# Altium PCB Power Distribution Board.PcbDoc (part 1 of 2)
Units mm, origin at the board's own origin, x right, y up, seen from the top; angles counter-clockwise.
Board outline 180 x 110 mm, 4 copper layers (Top Layer, L2-Ground, L3-Ground, Bottom Layer), stack 1.57 mm thick; 192 components, 105 nets, 601 pads, 369 vias.
Unrouted connection lines stored in the file: 64.
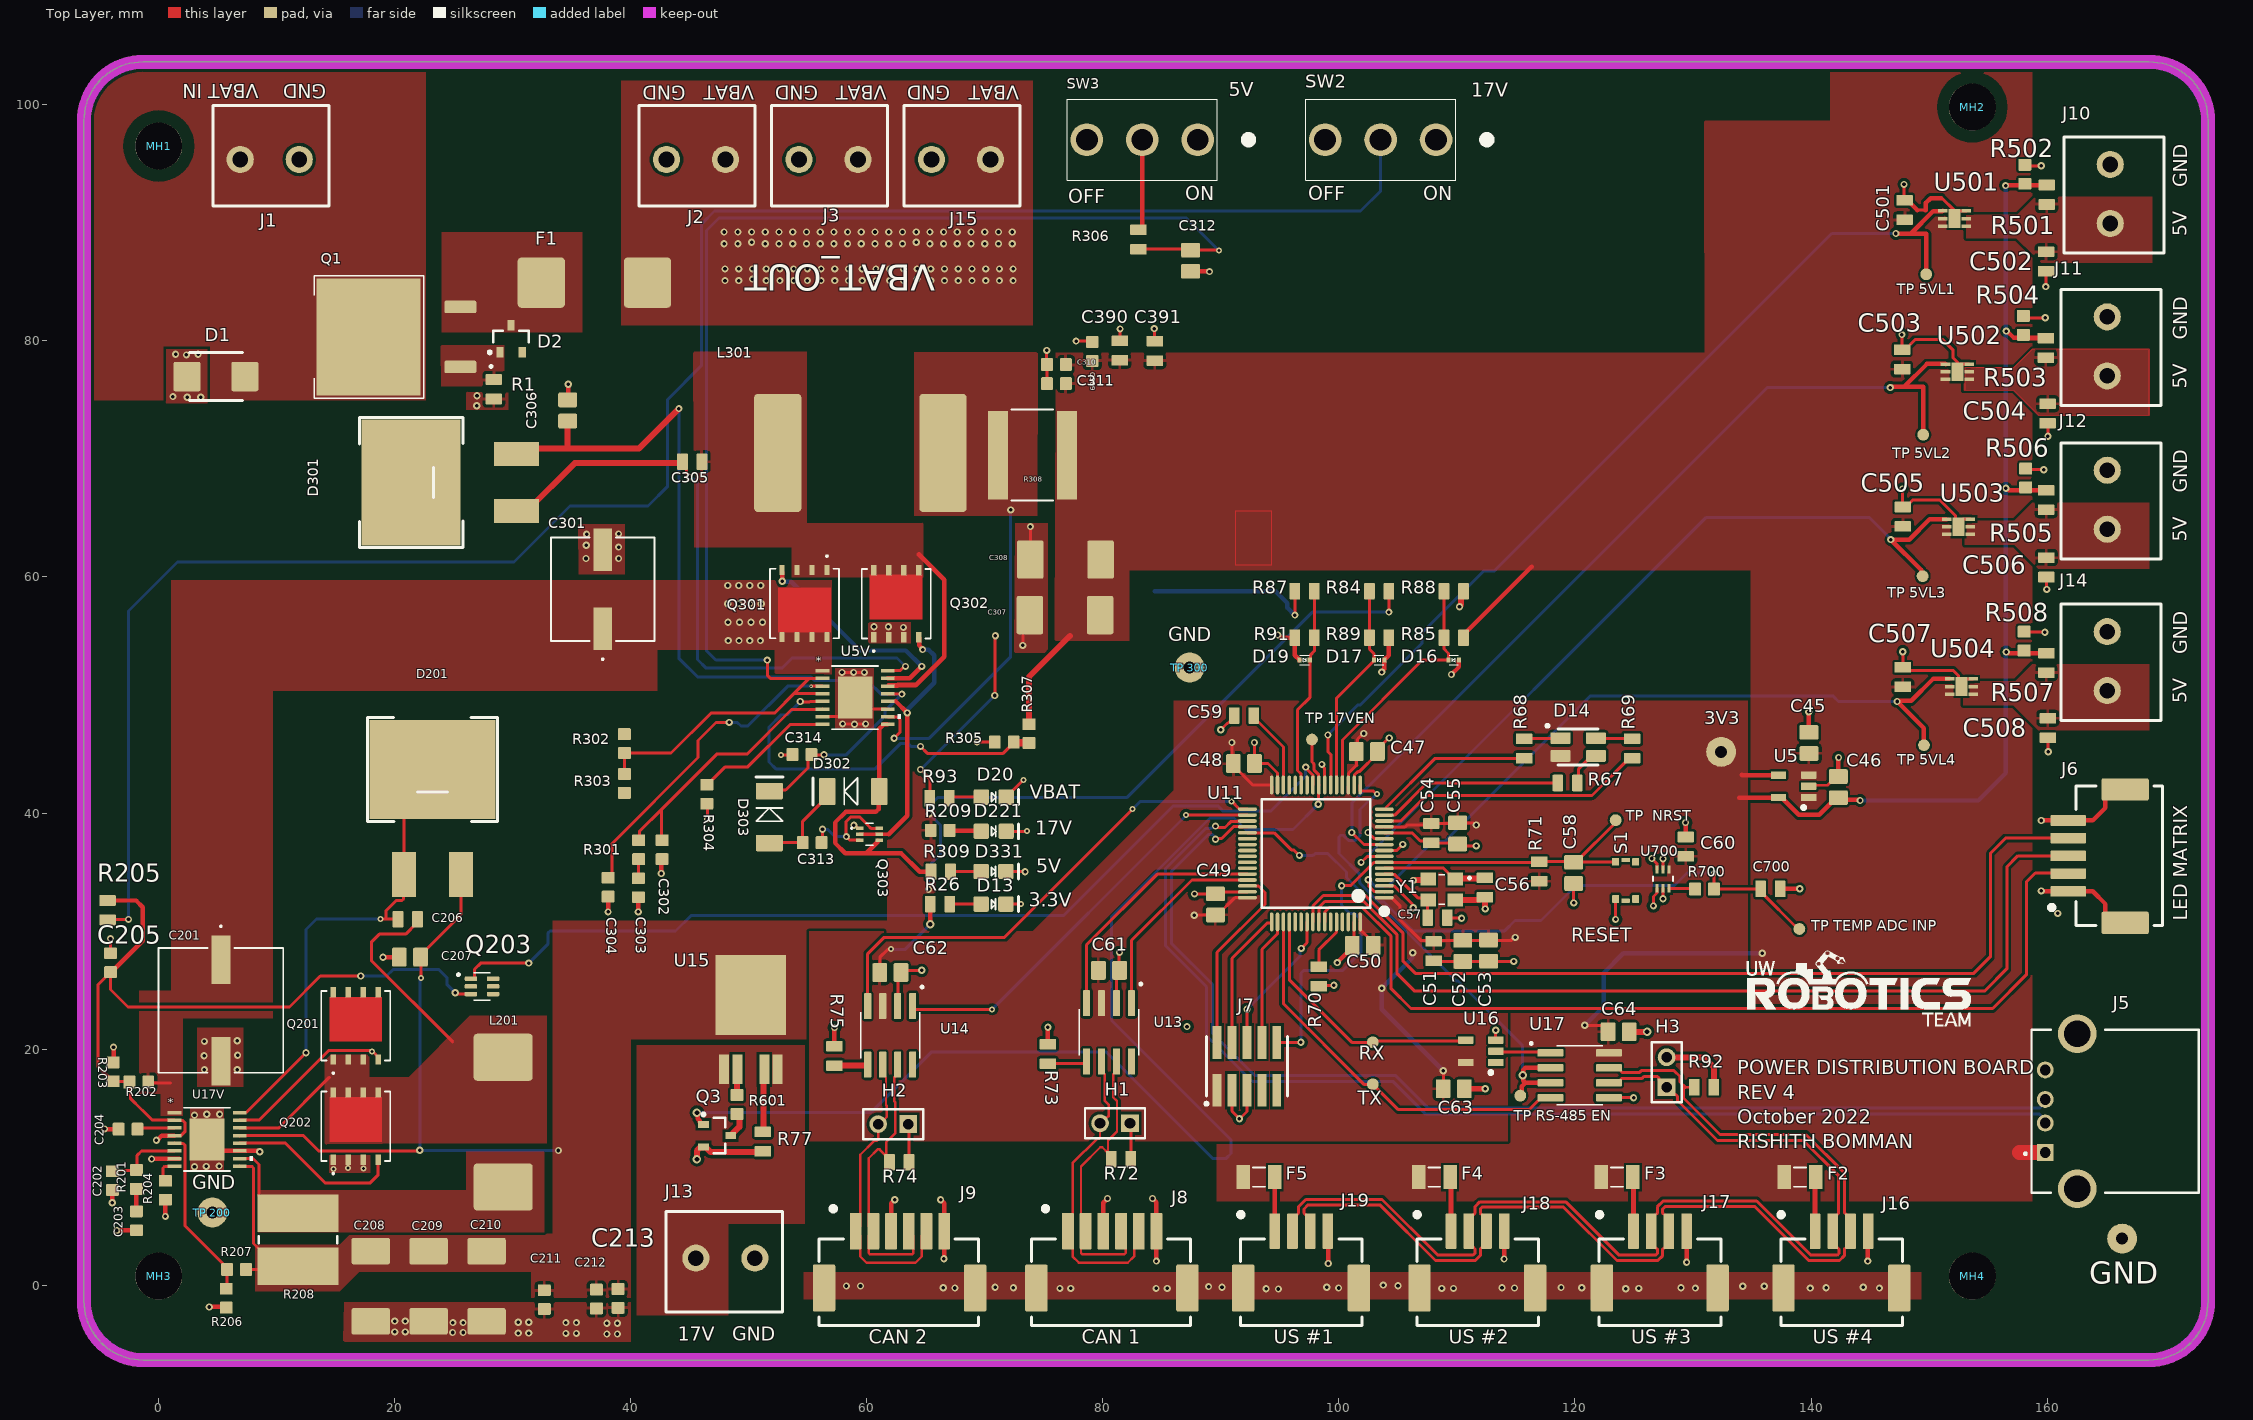
[diagram p0: Top Layer view]
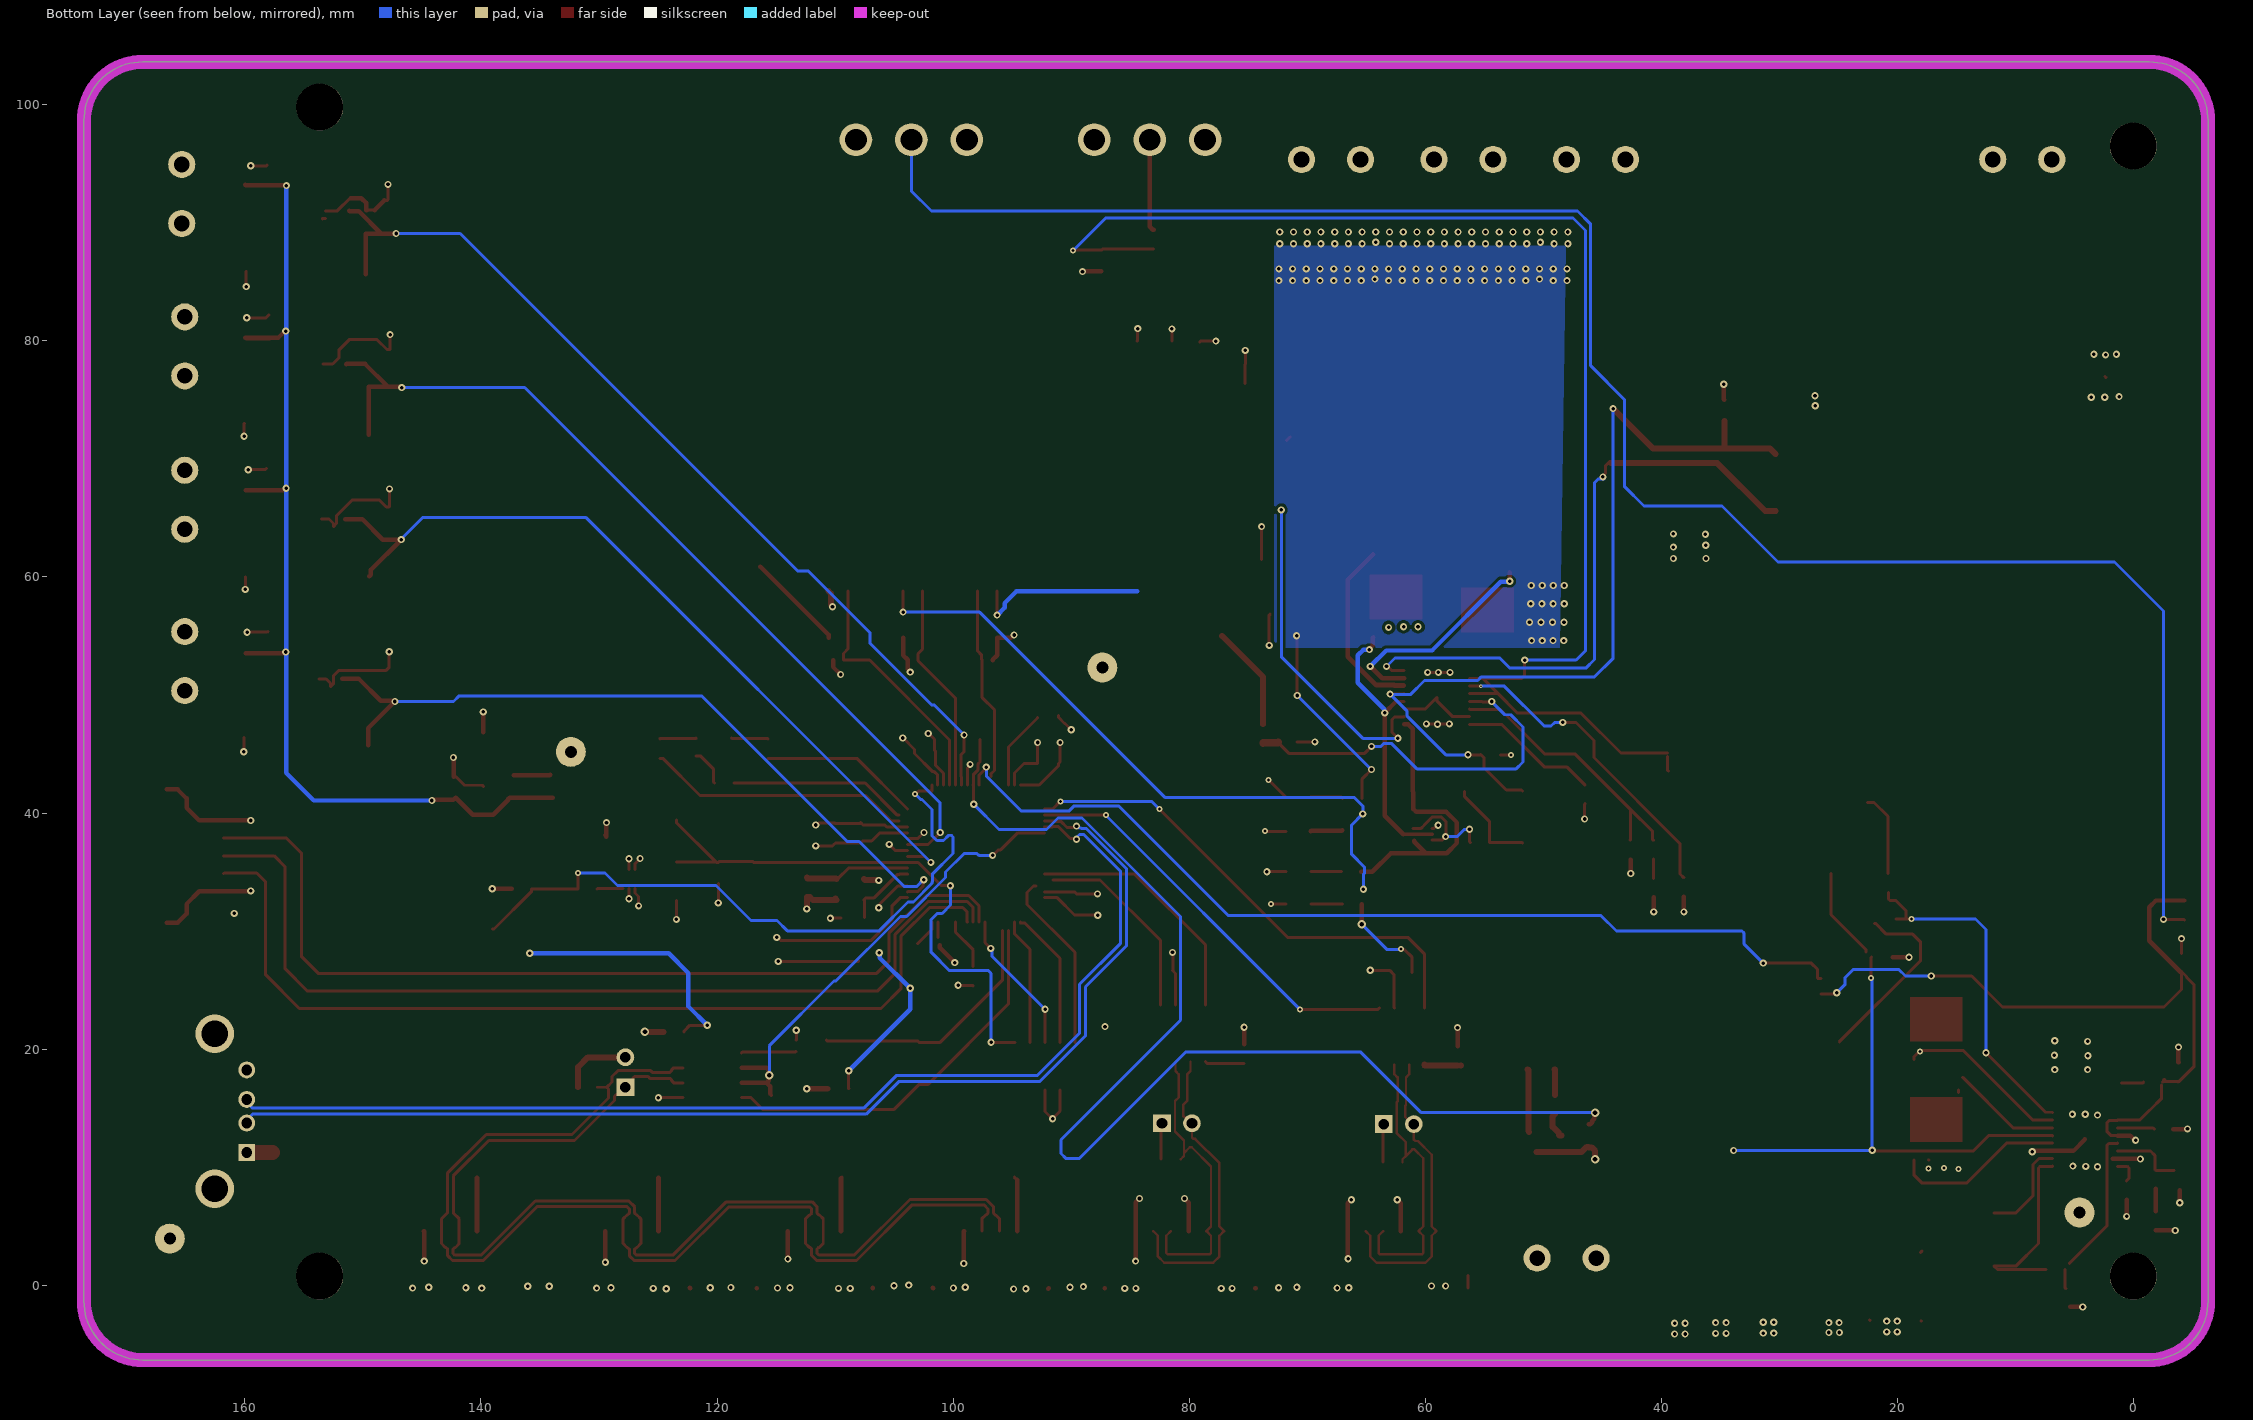
[diagram p1: Bottom Layer view, seen from below]
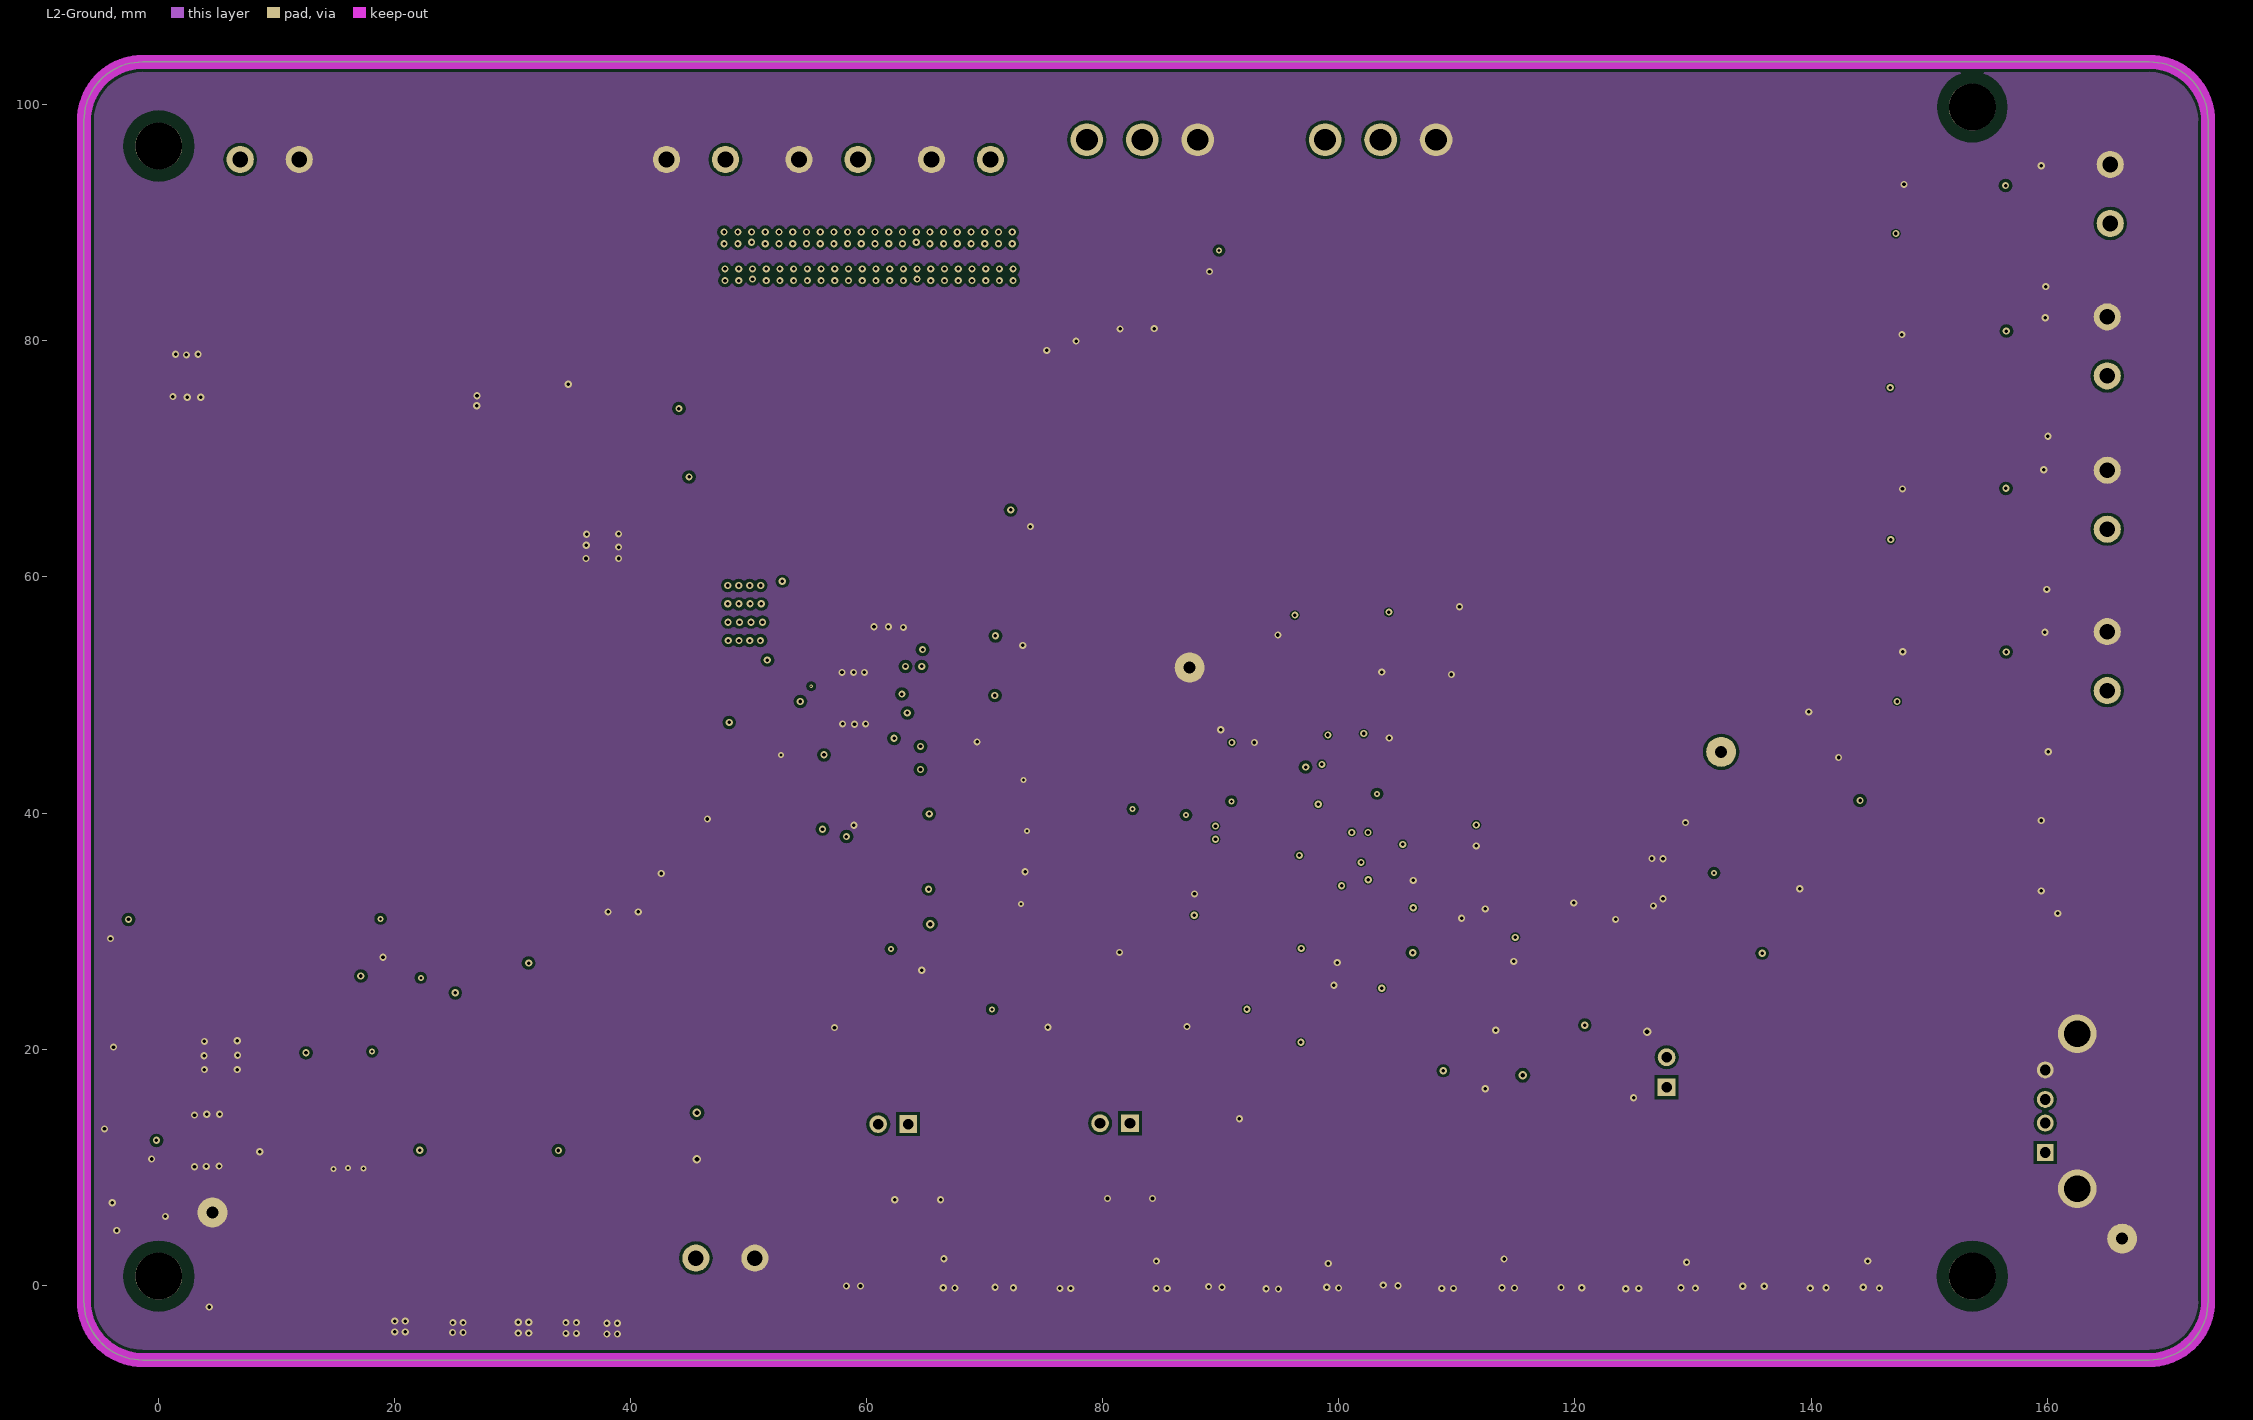
[diagram p2: L2-Ground]